# Altium PCB UmTRXv2.PcbDoc (part 19 of 25) (continued)
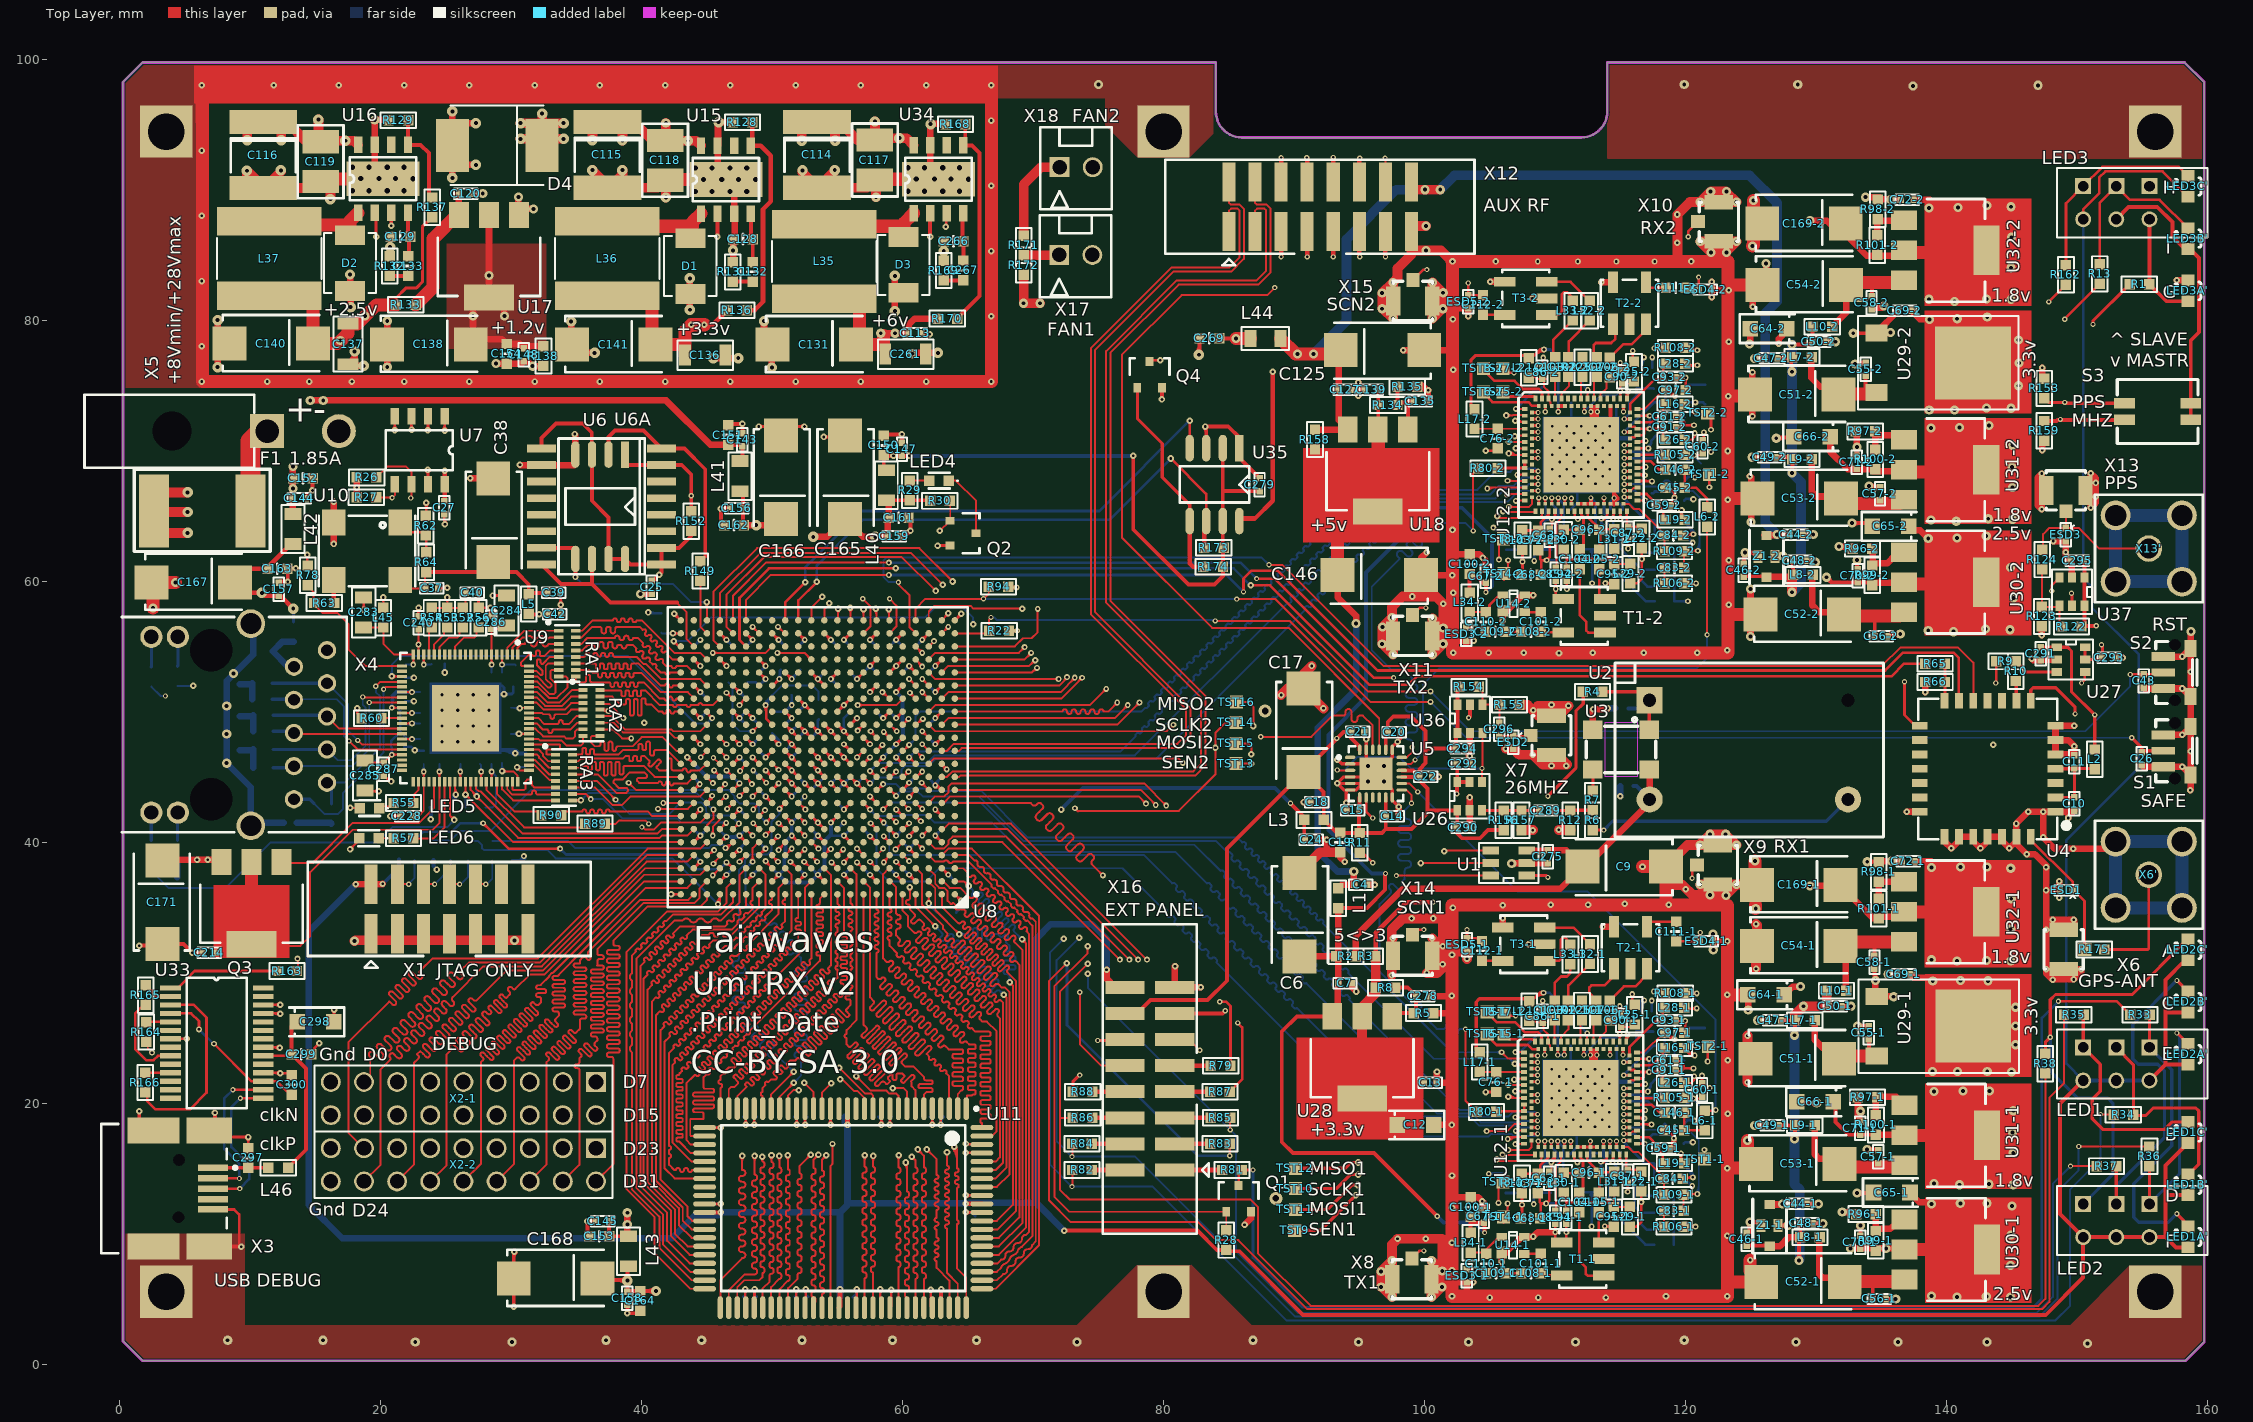
[diagram p0: Top Layer view]
## Nets (pads, with @x,y where several pads share a name; then routed paths per layer and width w, separated by ;. In a path a pad name is that pad's centre, name@x,y a point inside that pad or via, vN(x,y) a via of type N, cw(c..) or ccw(c..) an arc to the next point about the centre after c; other vN are vias at no path point) (continued)
RAM_WEN: U8.A2 U11.88 | length 40.3
  Top Layer w0.15: U8.A2@63,36 63,35.05 64.232,33.818 ccw(c64.338,33.924) 64.444,33.818 64.514,33.889 cw(c64.62,33.783) 64.727,33.889 cw(c64.62,33.783) 64.727,33.677 64.656,33.606 ccw(c64.762,33.5) 64.656,33.394 ccw(c64.762,33.5) 64.868,33.394 64.939,33.465 cw(c65.045,33.359) 65.151,33.465 cw(c65.045,33.359) 65.151,33.253 64.974,33.076 64.797,32.899 ccw(c64.903,32.793) 64.797,32.687 ccw(c64.903,32.793) 65.009,32.687 65.186,32.864 65.363,33.041 cw(c65.469,32.934) 65.575,33.04 cw(c65.469,32.934) 65.575,32.828 65.398,32.652 65.222,32.475 ccw(c65.328,32.369) 65.222,32.263 ccw(c65.328,32.369) 65.434,32.263 65.61,32.44 65.787,32.616 cw(c65.893,32.51) 65.999,32.616 cw(c65.893,32.51) 65.999,32.404 65.646,32.051 ccw(c65.752,31.945) 65.646,31.839 ccw(c65.752,31.945) 65.858,31.839 66.035,32.015 66.211,32.192 cw(c66.318,32.086) 66.424,32.192 cw(c66.318,32.086) 66.424,31.98 66.247,31.803 66.07,31.626 ccw(c66.176,31.52) 66.07,31.414 ccw(c66.176,31.52) 66.282,31.414 66.459,31.591 66.636,31.768 cw(c66.742,31.662) 66.848,31.768 cw(c66.742,31.662) 66.848,31.556 66.671,31.379 66.494,31.202 ccw(c66.6,31.096) 66.494,30.99 ccw(c66.6,31.096) 66.707,30.99 67.06,31.343 cw(c67.166,31.237) 67.272,31.343 cw(c67.166,31.237) 67.272,31.131 67.095,30.955 66.92,30.779 ccw(c67.026,30.673) 66.92,30.567 ccw(c67.026,30.673) 67.132,30.567 67.308,30.742 67.484,30.919 cw(c67.59,30.813) 67.696,30.919 cw(c67.59,30.813) 67.696,30.707 67.344,30.355 ccw(c67.45,30.249) 67.344,30.143 ccw(c67.45,30.249) 67.556,30.143 67.732,30.318 67.909,30.495 cw(c68.015,30.389) 68.121,30.495 cw(c68.015,30.389) 68.121,30.283 68.05,30.212 ccw(c68.156,30.106) 68.05,30 68.375,29.675 68.7,29.351 68.7,11.75 67.275,10.325 U11.88@66.075,10.325
RAM_ZZ: U8.F16 U11.64 | length 47.4
  Top Layer w0.15: U8.F16@49,41 v2(48.55,41.45) ; U11.64@54.475,4.325 54.475,15.2 54.625,15.35 v2(54.625,16.875) ; v2@48.55,41.3 cw(c48.55,40.938) 48.806,41.194 ; v2@48.55,41.3 cw(c48.55,40.938) 48.806,41.194 ; v2@48.55,41.3 cw(c48.55,40.938) 48.806,41.194 ; v2(48.55,41.45) ccw(c48.807,41.503) 48.739,41.249 ; v2(48.55,41.45) cw(c48.497,41.193) 48.751,41.261 ; v2(48.55,41.45) cw(c48.497,41.193) 48.751,41.261 ; v2(48.55,41.45) ccw(c48.807,41.503) 48.739,41.249 ; v2(48.55,41.45) ccw(c48.807,41.503) 48.739,41.249 ; v2(48.55,41.45) cw(c48.497,41.193) 48.751,41.261 ; v2@48.7,41.45 ccw(c49.062,41.45) 48.806,41.194 ; v2@48.7,41.45 ccw(c49.062,41.45) 48.806,41.194 ; v2@48.7,41.45 ccw(c49.062,41.45) 48.806,41.194
  Mid-Layer 2 w0.15: v2(54.625,16.875) 54.625,17.275 47.925,23.975 47.925,39.359 48.95,40.384 48.95,41.1 48.55,41.5 v2(48.55,41.45) ; v2@48.55,41.3 cw(c48.55,40.817) 48.891,41.159 ; v2@48.55,41.3 cw(c48.55,40.817) 48.891,41.159 ; v2@48.55,41.3 cw(c48.55,40.817) 48.891,41.159 ; v2(48.55,41.45) ccw(c48.85,41.546) 48.769,41.241 ; v2(48.55,41.45) ccw(c48.85,41.546) 48.769,41.241 ; v2(48.55,41.45) ccw(c48.85,41.546) 48.769,41.241 ; v2@48.7,41.45 ccw(c48.941,41.45) 48.771,41.279 ; v2@48.7,41.45 ccw(c48.941,41.45) 48.771,41.279 ; v2@48.7,41.45 ccw(c48.941,41.45) 48.771,41.279
RX1D0: U8.J1 U12-1.15 | length 74.8
  Top Layer w0.15: U8.J1@64,44 78.25,44 v2(79.4,42.85) ; v1(106.411,20.495) 106.411,20.458 106.481,20.388 U12-1.15@107.632,20.388 ; 79.144,43.106 cw(c78.888,42.85) v2@79.25,42.85 ; 79.144,43.106 ccw(c79.4,43.362) v2@79.4,43 ; 79.144,43.106 ccw(c79.4,43.362) v2@79.4,43 ; 79.144,43.106 cw(c78.888,42.85) v2@79.25,42.85 ; 79.144,43.106 ccw(c79.4,43.362) v2@79.4,43 ; 79.144,43.106 cw(c78.888,42.85) v2@79.25,42.85 ; 79.199,43.039 ccw(c79.453,43.107) v2(79.4,42.85) ; 79.199,43.039 ccw(c79.453,43.107) v2(79.4,42.85) ; 79.199,43.039 ccw(c79.453,43.107) v2(79.4,42.85) ; 79.211,43.051 cw(c79.143,42.797) v2(79.4,42.85) ; 79.211,43.051 cw(c79.143,42.797) v2(79.4,42.85) ; 79.211,43.051 cw(c79.143,42.797) v2(79.4,42.85) ; v1@106.429,20.513 ccw(c106.73,20.814) 106.73,20.388 ; v1@106.429,20.513 ccw(c106.73,20.814) 106.73,20.388 ; v1@106.429,20.513 ccw(c106.73,20.814) 106.73,20.388 ; v1@106.432,20.482 cw(c106.581,20.389) 106.669,20.541 ; v1@106.432,20.482 cw(c106.581,20.389) 106.669,20.541 ; v1@106.432,20.482 cw(c106.581,20.389) 106.669,20.541 ; v1@106.535,20.619 ccw(c107.092,21.176) 107.092,20.388 ; v1@106.535,20.619 ccw(c107.092,21.176) 107.092,20.388 ; v1@106.535,20.619 ccw(c107.092,21.176) 107.092,20.388 ; v1@106.56,20.403 cw(c106.713,20.307) 106.804,20.464 ; v1@106.56,20.403 cw(c106.713,20.307) 106.804,20.464 ; v1@106.56,20.403 cw(c106.713,20.307) 106.804,20.464
  MidLayer1 w0.15: v2(79.4,42.85) 80.45,41.8 84.35,41.8 84.795,41.355 ccw(c84.809,41.369) 84.823,41.355 cw(c84.951,41.228) 85.078,41.355 85.141,41.291 cw(c85.014,41.164) 85.141,41.037 85.127,41.023 85.113,41.009 ccw(c85.24,40.881) 85.113,40.754 85.177,40.69 ccw(c85.304,40.818) 85.431,40.69 85.445,40.705 85.46,40.719 cw(c85.587,40.591) 85.714,40.719 85.778,40.655 cw(c85.651,40.528) 85.778,40.4 85.764,40.386 85.75,40.372 ccw(c85.877,40.245) 85.75,40.118 85.813,40.054 ccw(c85.94,40.181) 86.068,40.054 86.082,40.068 86.096,40.082 cw(c86.223,39.955) 86.351,40.082 86.414,40.019 cw(c86.287,39.891) 86.414,39.764 86.4,39.75 86.386,39.736 ccw(c86.513,39.608) 86.386,39.481 86.45,39.418 ccw(c86.577,39.545) 86.704,39.418 86.718,39.432 86.732,39.446 cw(c86.86,39.319) 86.987,39.446 87.051,39.382 cw(c86.923,39.255) 87.051,39.128 87.036,39.114 87.022,39.099 ccw(c87.15,38.972) 87.022,38.845 87.086,38.781 ccw(c87.213,38.908) 87.341,38.781 87.355,38.795 87.369,38.809 cw(c87.496,38.682) 87.623,38.809 87.687,38.746 cw(c87.56,38.619) 87.687,38.491 87.673,38.477 87.659,38.463 ccw(c87.786,38.336) 87.659,38.208 87.722,38.145 ccw(c87.85,38.272) 87.977,38.145 87.991,38.159 88.005,38.173 cw(c88.132,38.046) 88.26,38.173 88.323,38.109 cw(c88.196,37.982) 88.323,37.855 88.309,37.841 88.295,37.827 ccw(c88.422,37.699) 88.295,37.572 88.359,37.508 ccw(c88.486,37.636) 88.613,37.508 88.627,37.523 88.642,37.537 cw(c88.769,37.409) 88.896,37.537 88.96,37.473 cw(c88.833,37.346) 88.96,37.218 88.946,37.204 88.932,37.19 ccw(c89.059,37.063) 88.932,36.936 88.995,36.872 ccw(c89.122,36.999) 89.25,36.872 89.264,36.886 89.278,36.9 cw(c89.405,36.773) 89.533,36.9 89.596,36.837 cw(c89.469,36.709) 89.596,36.582 89.582,36.568 89.568,36.554 ccw(c89.695,36.427) 89.568,36.299 89.632,36.236 ccw(c89.759,36.363) 89.886,36.236 89.9,36.25 89.914,36.264 cw(c90.042,36.137) 90.169,36.264 90.233,36.2 cw(c90.105,36.073) 90.233,35.946 90.218,35.932 90.204,35.917 ccw(c90.332,35.79) 90.204,35.663 90.268,35.599 ccw(c90.395,35.726) 90.523,35.599 90.537,35.613 90.551,35.627 cw(c90.678,35.5) 90.805,35.627 90.869,35.564 cw(c90.742,35.437) 90.869,35.309 90.855,35.295 90.841,35.281 ccw(c90.968,35.154) 90.841,35.026 90.904,34.963 ccw(c91.032,35.09) 91.159,34.963 91.173,34.977 91.187,34.991 cw(c91.314,34.864) 91.442,34.991 91.505,34.927 cw(c91.378,34.8) 91.505,34.673 91.491,34.659 91.477,34.645 ccw(c91.604,34.517) 91.477,34.39 91.541,34.326 ccw(c91.668,34.454) 91.795,34.326 91.809,34.341 91.824,34.355 cw(c91.951,34.227) 92.078,34.355 92.142,34.291 cw(c92.015,34.164) 92.142,34.037 92.128,34.022 92.113,34.008 ccw(c92.241,33.881) 92.113,33.754 92.177,33.69 ccw(c92.304,33.817) 92.432,33.69 92.446,33.704 92.46,33.718 cw(c92.587,33.591) 92.715,33.718 92.778,33.655 cw(c92.651,33.527) 92.778,33.4 92.764,33.386 92.75,33.372 ccw(c92.877,33.245) 92.75,33.117 92.814,33.054 ccw(c92.941,33.181) 93.068,33.054 93.082,33.068 93.096,33.082 cw(c93.224,32.955) 93.351,33.082 93.415,33.018 cw(c93.287,32.891) 93.415,32.764 93.4,32.75 93.386,32.735 ccw(c93.514,32.608) 93.386,32.481 93.45,32.417 ccw(c93.577,32.545) 93.704,32.417 93.733,32.446 cw(c93.86,32.318) 93.987,32.446 94.051,32.382 cw(c93.924,32.255) 94.051,32.127 94.037,32.113 94.023,32.099 ccw(c94.15,31.972) 94.023,31.844 94.086,31.781 ccw(c94.214,31.908) 94.341,31.781 94.355,31.795 94.369,31.809 cw(c94.496,31.682) 94.624,31.809 94.687,31.745 cw(c94.56,31.618) 94.687,31.491 94.673,31.477 94.659,31.463 ccw(c94.786,31.335) 94.659,31.208 94.723,31.144 ccw(c94.85,31.272) 94.977,31.144 94.991,31.159 95.006,31.173 cw(c95.133,31.045) 95.26,31.173 95.324,31.109 cw(c95.196,30.982) 95.324,30.855 95.31,30.84 95.295,30.826 ccw(c95.423,30.699) 95.295,30.572 95.359,30.508 ccw(c95.486,30.635) 95.614,30.508 95.628,30.522 95.642,30.536 cw(c95.769,30.409) 95.897,30.536 95.96,30.473 cw(c95.833,30.345) 95.96,30.218 ccw(c95.974,30.204) 95.96,30.19 95.96,29.69 104.143,21.507 104.143,20.511 104.395,20.258 105.577,20.258 105.777,20.458 106.411,20.458 v1(106.411,20.495) ; v2@79.4,42.7 cw(c79.4,42.338) 79.656,42.594 ; v2@79.4,42.7 cw(c79.4,42.338) 79.656,42.594 ; v2@79.4,42.7 cw(c79.4,42.338) 79.656,42.594 ; v2@79.55,42.85 ccw(c79.912,42.85) 79.656,42.594 ; v2@79.55,42.85 ccw(c79.912,42.85) 79.656,42.594 ; v2@79.55,42.85 ccw(c79.912,42.85) 79.656,42.594 ; 105.899,20.458 ccw(c105.899,21.007) v1@106.287,20.619 ; 105.899,20.458 ccw(c105.899,21.007) v1@106.287,20.619 ; 105.899,20.458 ccw(c105.899,21.007) v1@106.287,20.619 ; 106.078,20.458 cw(c106.078,20.162) v1@106.287,20.371 ; 106.078,20.458 cw(c106.078,20.162) v1@106.287,20.371 ; 106.078,20.458 cw(c106.078,20.162) v1@106.287,20.371
RX1D1: U8.L6 U12-1.14 | length 72.6
  Top Layer w0.15: v2@58.5,45.675 ccw(c58.5,46.097) 58.799,45.799 ccw(c59.097,45.5) v2@58.675,45.5 ; 58.689,45.701 ccw(c58.757,45.447) v2(58.5,45.5) ; 58.701,45.689 cw(c58.447,45.757) v2(58.5,45.5) ; U8.L6@59,46 v2(58.5,45.5) ; v2(58.5,45.5) ccw(c58.409,45.83) 58.74,45.741 cw(c58.409,45.83) v2(58.5,45.5) ; v2(58.5,45.5) cw(c58.83,45.409) 58.741,45.74 ccw(c58.83,45.409) v2(58.5,45.5) ; 58.756,45.756 cw(c58.5,46.012) 58.5,45.65 ccw(c58.5,46.012) 58.756,45.756 ; 58.756,45.756 ccw(c59.012,45.5) 58.65,45.5 cw(c59.012,45.5) 58.756,45.756
  Top Layer w0.2: U12-1.14@108.207,20.638 v4@108.632,20.638 ; 108.416,20.638 cw(c108.416,20.397) v4@108.586,20.567 ; 108.416,20.638 ccw(c108.416,20.879) v4@108.586,20.709 ; 108.416,20.638 ccw(c108.416,20.879) v4@108.586,20.709 ; 108.416,20.638 cw(c108.416,20.397) v4@108.586,20.567 ; 108.416,20.638 ccw(c108.416,20.879) v4@108.586,20.709 ; 108.416,20.638 cw(c108.416,20.397) v4@108.586,20.567
  MidLayer1 w0.15: v2@58.5,45.325 cw(c58.5,44.903) 58.799,45.201 cw(c59.097,45.5) v2@58.675,45.5 ; v4(108.657,20.638) 107.999,20.638 106.931,19.57 105.949,19.57 105.837,19.458 103.388,19.458 103.042,19.458 93.65,28.85 93.65,29.6 82.7,40.55 79.65,40.55 76.75,43.45 62.908,43.45 62.883,43.425 62.117,43.425 62.067,43.475 61.217,43.475 60.817,43.875 60.125,43.875 v2(58.5,45.5) ; v2(58.5,45.5) cw(c58.409,45.17) 58.74,45.259 ccw(c58.409,45.17) v2(58.5,45.5) ; v2(58.5,45.5) ccw(c58.83,45.591) 58.741,45.26 cw(c58.83,45.591) v2(58.5,45.5) ; 58.756,45.244 cw(c59.012,45.5) 58.65,45.5 ccw(c59.012,45.5) 58.756,45.244 ; 58.756,45.244 ccw(c58.5,44.988) 58.5,45.35 cw(c58.5,44.988) 58.756,45.244 ; 108.355,20.638 cw(c108.355,20.336) v4@108.569,20.55 ; 108.355,20.638 ccw(c108.355,20.94) v4@108.569,20.726 ; 108.355,20.638 ccw(c108.355,20.94) v4@108.569,20.726 ; 108.355,20.638 cw(c108.355,20.336) v4@108.569,20.55 ; 108.355,20.638 ccw(c108.355,20.94) v4@108.569,20.726 ; 108.355,20.638 cw(c108.355,20.336) v4@108.569,20.55
RX1D2: U8.H3 U12-1.13 | length 72
  Top Layer w0.15: U8.H3@62,43 62.5,43.5 63.2,43.5 63.5,43.8 63.5,44.25 63.75,44.5 78.5,44.5 v2(80.2,42.8) ; v1(106.961,20.908) 106.981,20.888 U12-1.13@107.632,20.888 ; 79.944,43.056 cw(c79.688,42.8) v2@80.05,42.8 ; 79.944,43.056 ccw(c80.2,43.312) v2@80.2,42.95 ; 79.944,43.056 ccw(c80.2,43.312) v2@80.2,42.95 ; 79.944,43.056 cw(c79.688,42.8) v2@80.05,42.8 ; 79.944,43.056 ccw(c80.2,43.312) v2@80.2,42.95 ; 79.944,43.056 cw(c79.688,42.8) v2@80.05,42.8 ; 79.999,42.989 ccw(c80.253,43.057) v2(80.2,42.8) ; 79.999,42.989 ccw(c80.253,43.057) v2(80.2,42.8) ; 79.999,42.989 ccw(c80.253,43.057) v2(80.2,42.8) ; 80.011,43.001 cw(c79.943,42.747) v2(80.2,42.8) ; 80.011,43.001 cw(c79.943,42.747) v2(80.2,42.8) ; 80.011,43.001 cw(c79.943,42.747) v2(80.2,42.8) ; v1@107.085,20.784 cw(c107.335,20.534) 107.335,20.888 ; v1@107.085,20.784 cw(c107.335,20.534) 107.335,20.888 ; v1@107.085,20.784 cw(c107.335,20.534) 107.335,20.888 ; v1@107.085,21.032 ccw(c107.432,21.379) U12-1.13@107.432,20.888 ; v1@107.085,21.032 ccw(c107.432,21.379) U12-1.13@107.432,20.888 ; v1@107.085,21.032 ccw(c107.432,21.379) U12-1.13@107.432,20.888
  MidLayer1 w0.15: v2(80.2,42.8) 80.8,42.2 85.1,42.2 96.8,30.5 96.8,29.75 100.551,25.999 ccw(c100.636,26.084) 100.721,25.999 cw(c100.848,25.871) 100.976,25.999 101.039,25.935 cw(c100.912,25.808) 101.039,25.681 100.954,25.596 100.869,25.511 ccw(c100.997,25.384) 100.869,25.256 100.933,25.193 ccw(c101.06,25.32) 101.188,25.193 101.357,25.362 cw(c101.485,25.235) 101.612,25.362 101.676,25.299 cw(c101.548,25.171) 101.676,25.044 101.506,24.874 ccw(c101.633,24.747) 101.506,24.62 101.57,24.556 ccw(c101.697,24.683) 101.824,24.556 101.909,24.641 101.994,24.726 cw(c102.121,24.599) 102.248,24.726 102.312,24.662 cw(c102.185,24.535) 102.312,24.408 102.142,24.238 ccw(c102.27,24.111) 102.142,23.983 102.206,23.92 ccw(c102.333,24.047) 102.46,23.92 102.545,24.005 102.63,24.09 cw(c102.757,23.962) 102.885,24.09 102.948,24.026 cw(c102.821,23.899) 102.948,23.771 102.779,23.602 ccw(c102.906,23.474) 102.779,23.347 102.842,23.283 ccw(c102.97,23.411) 103.097,23.283 103.182,23.368 103.267,23.453 cw(c103.394,23.326) 103.521,23.453 103.585,23.389 cw(c103.457,23.262) 103.585,23.135 103.415,22.965 ccw(c103.542,22.838) 103.415,22.711 103.479,22.647 ccw(c103.606,22.774) 103.733,22.647 103.903,22.817 cw(c104.03,22.689) 104.158,22.817 104.221,22.753 cw(c104.094,22.626) 104.221,22.499 104.136,22.414 104.051,22.329 ccw(c104.179,22.202) 104.051,22.074 104.115,22.011 ccw(c104.242,22.138) 104.37,22.011 104.539,22.18 cw(c104.667,22.053) 104.794,22.18 104.858,22.117 cw(c104.73,21.989) 104.858,21.862 104.773,21.777 104.688,21.692 ccw(c104.815,21.565) 104.688,21.438 104.751,21.374 ccw(c104.879,21.502) 105.006,21.374 cw(c105.091,21.289) 105.176,21.374 105.35,21.2 105.75,21.2 106.029,20.92 106.949,20.92 v1(106.961,20.908) ; v2@80.2,42.65 cw(c80.2,42.288) 80.456,42.544 ; v2@80.2,42.65 cw(c80.2,42.288) 80.456,42.544 ; v2@80.2,42.65 cw(c80.2,42.288) 80.456,42.544 ; v2@80.35,42.8 ccw(c80.712,42.8) 80.456,42.544 ; v2@80.35,42.8 ccw(c80.712,42.8) 80.456,42.544 ; v2@80.35,42.8 ccw(c80.712,42.8) 80.456,42.544 ; 106.51,20.92 cw(c106.51,20.457) v1@106.837,20.784 ; 106.51,20.92 cw(c106.51,20.457) v1@106.837,20.784 ; 106.51,20.92 cw(c106.51,20.457) v1@106.837,20.784 ; 106.568,20.92 ccw(c106.568,21.302) v1@106.837,21.032 ; 106.568,20.92 ccw(c106.568,21.302) v1@106.837,21.032 ; 106.568,20.92 ccw(c106.568,21.302) v1@106.837,21.032
RX1D3: U8.K6 U12-1.10 | length 71.1
  Top Layer w0.15: U8.K6@59,45 59.1,45 v2(59.5,45.4) ; 59.299,45.211 cw(c59.553,45.143) v2(59.5,45.4) ; 59.311,45.199 ccw(c59.243,45.453) v2(59.5,45.4) ; v2@59.325,45.4 cw(c58.903,45.4) 59.201,45.101 cw(c59.5,44.803) v2@59.5,45.225 ; 59.244,45.144 cw(c59.5,44.888) 59.5,45.25 ccw(c59.5,44.888) 59.244,45.144 ; 59.244,45.144 ccw(c58.988,45.4) 59.35,45.4 cw(c58.988,45.4) 59.244,45.144 ; v2(59.5,45.4) ccw(c59.591,45.07) 59.26,45.159 cw(c59.591,45.07) v2(59.5,45.4) ; v2(59.5,45.4) cw(c59.17,45.491) 59.259,45.16 ccw(c59.17,45.491) v2(59.5,45.4)
  Top Layer w0.2: U12-1.10@108.207,21.638 v4@108.632,21.638 ; 108.416,21.638 cw(c108.416,21.397) v4@108.586,21.567 ; 108.416,21.638 ccw(c108.416,21.879) v4@108.586,21.709 ; 108.416,21.638 ccw(c108.416,21.879) v4@108.586,21.709 ; 108.416,21.638 cw(c108.416,21.397) v4@108.586,21.567 ; 108.416,21.638 ccw(c108.416,21.879) v4@108.586,21.709 ; 108.416,21.638 cw(c108.416,21.397) v4@108.586,21.567
  MidLayer1 w0.15: v2@59.376,45.276 cw(c59.078,44.978) 59.5,44.978 cw(c59.922,44.978) v2@59.624,45.276 ; v2(59.5,45.4) 59.5,44.899 60.274,44.125 60.92,44.125 61.32,43.725 62.17,43.725 62.22,43.675 62.78,43.675 62.805,43.7 77.15,43.7 80,40.85 83.25,40.85 101.6,22.5 ccw(c101.706,22.394) 101.6,22.288 101.706,22.182 ccw(c101.812,22.288) 101.918,22.182 cw(c102.024,22.076) 102.13,22.182 102.236,22.076 cw(c102.13,21.97) 102.236,21.864 ccw(c102.342,21.758) 102.236,21.652 102.342,21.545 ccw(c102.448,21.652) 102.555,21.545 cw(c102.661,21.439) 102.767,21.545 102.873,21.439 cw(c102.767,21.333) 102.873,21.227 ccw(c102.979,21.121) 102.873,21.015 102.979,20.909 ccw(c103.085,21.015) 103.191,20.909 103.643,20.457 103.643,20.304 104.188,19.758 105.784,19.758 105.846,19.82 106.828,19.82 107.895,20.888 107.907,20.888 108.282,21.263 ; 108.282,21.293 108.627,21.638 v4(108.657,21.638) ; 59.5,45.038 cw(c59.862,45.038) 59.606,45.294 ccw(c59.862,45.038) 59.5,45.038 ; 59.5,45.038 ccw(c59.138,45.038) 59.394,45.294 cw(c59.138,45.038) 59.5,45.038 ; 108.392,21.403 cw(c108.657,21.138) v4@108.657,21.513 ; 108.392,21.403 cw(c108.657,21.138) v4@108.657,21.513 ; 108.392,21.403 cw(c108.657,21.138) v4@108.657,21.513 ; 108.465,21.476 ccw(c108.303,21.638) v4@108.532,21.638 ; 108.465,21.476 ccw(c108.303,21.638) v4@108.532,21.638 ; 108.465,21.476 ccw(c108.303,21.638) v4@108.532,21.638
RX1D4: U8.K5 U12-1.11 | length 71.7
  Top Layer w0.15: U8.K5@60,45 60.45,45.45 v2(60.45,45.4) ; U8.K5@60.066,45.066 cw(c60.45,44.682) v2@60.45,45.225 ; 60.187,45.187 ccw(c59.973,45.4) v2@60.275,45.4 ; 60.231,45.191 ccw(c60.15,45.496) v2(60.45,45.4) ; v1(106.411,21.408) 106.436,21.383 107.627,21.383 U12-1.11@107.632,21.388 ; v2(60.45,45.4) ccw(c60.497,45.116) 60.219,45.191 cw(c60.497,45.116) v2(60.45,45.4) ; v2(60.45,45.4) cw(c60.073,45.541) 60.177,45.152 ccw(c60.073,45.541) v2(60.45,45.4) ; U8.K5@60.109,45.109 cw(c60.45,44.767) 60.45,45.25 ccw(c60.45,44.767) U8.K5@60.109,45.109 ; 60.229,45.229 ccw(c60.059,45.4) 60.3,45.4 cw(c60.059,45.4) 60.229,45.229
  MidLayer1 w0.15: v2@60.45,45.225 cw(c60.45,44.802) 60.749,45.101 cw(c61.047,45.4) v2@60.625,45.4 ; v1(106.411,21.408) 106.1,21.719 106.1,22.35 105.55,22.9 105.15,22.9 100.95,27.1 cw(c100.857,27.325) 100.632,27.418 ccw(c100.406,27.511) 100.314,27.736 cw(c100.221,27.962) 99.995,28.055 ccw(c99.77,28.147) 99.677,28.373 cw(c99.584,28.598) 99.359,28.691 ccw(c99.134,28.784) 99.041,29.009 cw(c98.948,29.235) 98.723,29.327 ccw(c98.497,29.42) 98.404,29.646 cw(c98.312,29.871) 98.086,29.964 ccw(c97.861,30.057) 97.768,30.282 cw(c97.675,30.507) 97.45,30.6 ccw(c97.224,30.693) 97.132,30.918 cw(c97.039,31.144) 96.813,31.237 ccw(c96.588,31.329) 96.495,31.555 cw(c96.402,31.78) 96.177,31.873 ccw(c95.952,31.966) 95.859,32.191 cw(c95.766,32.417) 95.541,32.509 ccw(c95.315,32.602) 95.222,32.828 cw(c95.13,33.053) 94.904,33.146 ccw(c94.679,33.239) 94.586,33.464 cw(c94.493,33.689) 94.268,33.782 ccw(c94.042,33.875) 93.95,34.1 cw(c93.857,34.326) 93.631,34.419 ccw(c93.406,34.511) 93.313,34.737 cw(c93.22,34.962) 92.995,35.055 ccw(c92.77,35.148) 92.677,35.373 cw(c92.584,35.599) 92.359,35.691 ccw(c92.133,35.784) 92.04,36.01 cw(c91.948,36.235) 91.722,36.328 ccw(c91.497,36.421) 91.404,36.646 cw(c91.311,36.871) 91.086,36.964 ccw(c90.86,37.057) 90.768,37.282 cw(c90.675,37.508) 90.449,37.601 ccw(c90.224,37.693) 90.131,37.919 cw(c90.038,38.144) 89.813,38.237 ccw(c89.588,38.33) 89.495,38.555 85.5,42.55 81.25,42.55 79.85,43.95 62.701,43.95 62.676,43.925 62.324,43.925 62.274,43.975 61.424,43.975 61,44.399 61,44.85 v2(60.45,45.4) ; v2(60.45,45.4) cw(c60.359,45.07) 60.69,45.159 ccw(c60.359,45.07) v2(60.45,45.4) ; v2(60.45,45.4) ccw(c60.78,45.491) 60.691,45.16 cw(c60.78,45.491) v2(60.45,45.4) ; 60.706,45.144 cw(c60.962,45.4) 60.6,45.4 ccw(c60.962,45.4) 60.706,45.144 ; 60.706,45.144 ccw(c60.45,44.888) 60.45,45.25 cw(c60.45,44.888) 60.706,45.144 ; 106.112,21.707 cw(c105.814,21.408) v1@106.236,21.408 ; 106.112,21.707 ccw(c106.411,22.006) v1@106.411,21.583 ; 106.112,21.707 ccw(c106.411,22.006) v1@106.411,21.583 ; 106.112,21.707 cw(c105.814,21.408) v1@106.236,21.408 ; 106.112,21.707 ccw(c106.411,22.006) v1@106.411,21.583 ; 106.112,21.707 cw(c105.814,21.408) v1@106.236,21.408
RX1D5: U8.H2 U12-1.8 | length 70.7
  Top Layer w0.15: U8.H2@63,43 63.15,43 63.65,43.5 78.1,43.5 v2(78.65,42.95) ; 78.394,43.206 cw(c78.138,42.95) v2@78.5,42.95 ; 78.394,43.206 ccw(c78.65,43.462) v2@78.65,43.1 ; 78.394,43.206 ccw(c78.65,43.462) v2@78.65,43.1 ; 78.394,43.206 cw(c78.138,42.95) v2@78.5,42.95 ; 78.394,43.206 ccw(c78.65,43.462) v2@78.65,43.1 ; 78.394,43.206 cw(c78.138,42.95) v2@78.5,42.95 ; 78.449,43.139 ccw(c78.703,43.207) v2(78.65,42.95) ; 78.449,43.139 ccw(c78.703,43.207) v2(78.65,42.95) ; 78.449,43.139 ccw(c78.703,43.207) v2(78.65,42.95) ; 78.461,43.151 cw(c78.393,42.897) v2(78.65,42.95) ; 78.461,43.151 cw(c78.393,42.897) v2(78.65,42.95) ; 78.461,43.151 cw(c78.393,42.897) v2(78.65,42.95)
  Top Layer w0.2: U12-1.8@108.207,22.138 v4@108.632,22.138 ; 108.416,22.138 cw(c108.416,21.897) v4@108.586,22.067 ; 108.416,22.138 ccw(c108.416,22.379) v4@108.586,22.209 ; 108.416,22.138 ccw(c108.416,22.379) v4@108.586,22.209 ; 108.416,22.138 cw(c108.416,21.897) v4@108.586,22.067 ; 108.416,22.138 ccw(c108.416,22.379) v4@108.586,22.209 ; 108.416,22.138 cw(c108.416,21.897) v4@108.586,22.067
  MidLayer1 w0.15: v2(78.65,42.95) 80.25,41.35 83.55,41.35 92.508,32.392 cw(c92.494,32.378) 92.508,32.363 ccw(c92.635,32.236) 92.508,32.109 92.572,32.045 ccw(c92.699,32.173) 92.826,32.045 92.841,32.059 92.855,32.074 cw(c92.982,31.946) 93.109,32.074 93.173,32.01 cw(c93.046,31.883) 93.173,31.755 93.159,31.741 93.145,31.727 ccw(c93.272,31.6) 93.145,31.473 93.208,31.409 ccw(c93.336,31.536) 93.463,31.409 93.477,31.423 93.491,31.437 cw(c93.618,31.31) 93.746,31.437 93.809,31.374 cw(c93.682,31.246) 93.809,31.119 93.795,31.105 93.781,31.091 ccw(c93.908,30.963) 93.781,30.836 93.845,30.773 ccw(c93.972,30.9) 94.099,30.773 94.113,30.787 94.127,30.801 cw(c94.255,30.674) 94.382,30.801 94.446,30.737 cw(c94.318,30.61) 94.446,30.483 94.432,30.468 94.417,30.454 ccw(c94.545,30.327) 94.417,30.2 94.481,30.136 ccw(c94.608,30.263) 94.736,30.136 94.75,30.15 94.764,30.164 cw(c94.891,30.037) 95.018,30.164 95.082,30.101 cw(c94.955,29.973) 95.082,29.846 95.068,29.832 95.054,29.818 ccw(c95.181,29.691) 95.054,29.563 95.117,29.5 ccw(c95.245,29.627) 95.372,29.5 95.386,29.514 95.4,29.528 cw(c95.528,29.401) 95.655,29.528 95.718,29.464 cw(c95.591,29.337) 95.718,29.21 95.704,29.196 95.69,29.182 ccw(c95.817,29.054) 95.69,28.927 95.754,28.863 ccw(c95.881,28.991) 96.008,28.863 96.023,28.877 96.037,28.892 cw(c96.164,28.764) 96.291,28.892 96.355,28.828 cw(c96.228,28.701) 96.355,28.573 96.341,28.559 96.327,28.545 ccw(c96.454,28.418) 96.327,28.291 96.39,28.227 ccw(c96.518,28.354) 96.645,28.227 96.659,28.241 96.673,28.255 cw(c96.8,28.128) 96.928,28.255 96.991,28.192 cw(c96.864,28.064) 96.991,27.937 96.977,27.923 96.963,27.909 ccw(c97.09,27.781) 96.963,27.654 97.027,27.591 ccw(c97.154,27.718) 97.281,27.591 97.295,27.605 97.309,27.619 cw(c97.437,27.492) 97.564,27.619 97.628,27.555 cw(c97.5,27.428) 97.628,27.301 97.614,27.286 97.599,27.272 ccw(c97.727,27.145) 97.599,27.018 97.663,26.954 ccw(c97.79,27.081) 97.918,26.954 97.932,26.968 97.946,26.982 cw(c98.073,26.855) 98.2,26.982 98.264,26.919 cw(c98.137,26.792) 98.264,26.664 98.25,26.65 98.236,26.636 ccw(c98.363,26.509) 98.236,26.381 98.299,26.318 ccw(c98.427,26.445) 98.554,26.318 98.568,26.332 98.582,26.346 cw(c98.71,26.219) 98.837,26.346 98.9,26.282 cw(c98.773,26.155) 98.9,26.028 98.886,26.014 98.872,26 ccw(c98.999,25.872) 98.872,25.745 98.936,25.681 ccw(c99.063,25.809) 99.19,25.681 99.205,25.695 99.219,25.71 cw(c99.346,25.582) 99.473,25.71 99.537,25.646 cw(c99.41,25.519) 99.537,25.391 99.523,25.377 99.509,25.363 ccw(c99.636,25.236) 99.509,25.109 99.572,25.045 ccw(c99.699,25.172) 99.827,25.045 cw(c99.841,25.031) 99.855,25.045 103.893,21.007 103.893,20.407 104.292,20.008 105.68,20.008 105.742,20.07 106.724,20.07 107.386,20.732 107.386,20.897 108.627,22.138 v4(108.657,22.138) ; v2@78.65,42.8 cw(c78.65,42.438) 78.906,42.694 ; v2@78.65,42.8 cw(c78.65,42.438) 78.906,42.694 ; v2@78.65,42.8 cw(c78.65,42.438) 78.906,42.694 ; v2@78.8,42.95 ccw(c79.162,42.95) 78.906,42.694 ; v2@78.8,42.95 ccw(c79.162,42.95) 78.906,42.694 ; v2@78.8,42.95 ccw(c79.162,42.95) 78.906,42.694 ; 108.392,21.903 cw(c108.657,21.638) v4@108.657,22.013 ; 108.392,21.903 cw(c108.657,21.638) v4@108.657,22.013 ; 108.392,21.903 cw(c108.657,21.638) v4@108.657,22.013 ; 108.465,21.976 ccw(c108.303,22.138) v4@108.532,22.138 ; 108.465,21.976 ccw(c108.303,22.138) v4@108.532,22.138 ; 108.465,21.976 ccw(c108.303,22.138) v4@108.532,22.138
RX1D6: U8.J3 U12-1.9 | length 72.1
  Top Layer w0.15: v2@61.45,44.375 cw(c61.45,43.952) 61.749,44.251 cw(c62.047,44.55) v2@61.625,44.55 ; 61.639,44.349 cw(c61.707,44.603) v2(61.45,44.55) ; 61.65,44.361 ccw(c61.397,44.293) v2(61.45,44.55) ; U8.J3@62,44 v2(61.45,44.55) ; v1(106.861,21.808) 106.811,21.758 106.811,21.708 106.991,21.888 U12-1.9@107.632,21.888 ; v2(61.45,44.55) ccw(c61.78,44.641) 61.691,44.31 cw(c61.78,44.641) v2(61.45,44.55) ; v2(61.45,44.55) cw(c61.359,44.22) 61.689,44.309 ccw(c61.359,44.22) v2(61.45,44.55) ; v1@106.879,21.79 cw(c107.114,21.555) 107.114,21.888 ; v1@106.879,21.79 cw(c107.114,21.555) 107.114,21.888 ; v1@106.879,21.79 cw(c107.114,21.555) 107.114,21.888 ; v1@106.985,21.684 cw(c107.476,21.193) U12-1.9@107.476,21.888 ; v1@106.985,21.684 cw(c107.476,21.193) U12-1.9@107.476,21.888 ; v1@106.985,21.684 cw(c107.476,21.193) U12-1.9@107.476,21.888 ; v2@61.45,44.4 cw(c61.45,44.037) 61.706,44.294 ccw(c61.45,44.037) v2@61.45,44.4 ; v2@61.6,44.55 ccw(c61.961,44.55) 61.706,44.294 cw(c61.961,44.55) v2@61.6,44.55
  MidLayer1 w0.15: v2(61.45,44.55) 61.7,44.8 ; v1(106.861,21.808) 106.45,22.219 106.45,24.35 104.35,26.45 102.293,26.45 89.45,39.293 89.257,39.293 85.45,43.1 83.875,43.1 ccw(c83.725,43.1) 83.725,43.25 83.475,43.25 ccw(c83.475,43.1) 83.325,43.1 cw(c83.175,43.1) 83.175,42.95 82.925,42.95 cw(c82.925,43.1) 82.775,43.1 ccw(c82.625,43.1) 82.625,43.25 82.375,43.25 ccw(c82.375,43.1) 82.225,43.1 81.45,43.1 79.75,44.8 79.2,44.8 cw(c78.975,44.894) 78.75,44.8 ccw(c78.525,44.706) 78.3,44.8 cw(c78.075,44.894) 77.85,44.8 ccw(c77.625,44.706) 77.4,44.8 cw(c77.175,44.894) 76.95,44.8 ccw(c76.725,44.706) 76.5,44.8 cw(c76.275,44.894) 76.05,44.8 ccw(c75.825,44.706) 75.6,44.8 cw(c75.375,44.894) 75.15,44.8 ccw(c74.925,44.706) 74.7,44.8 cw(c74.475,44.894) 74.25,44.8 ccw(c74.025,44.706) 73.8,44.8 cw(c73.575,44.894) 73.35,44.8 ccw(c73.125,44.706) 72.9,44.8 cw(c72.675,44.894) 72.45,44.8 ccw(c72.225,44.706) 72,44.8 cw(c71.775,44.894) 71.55,44.8 ccw(c71.325,44.706) 71.1,44.8 cw(c70.875,44.894) 70.65,44.8 ccw(c70.425,44.706) 70.2,44.8 cw(c69.975,44.894) 69.75,44.8 ccw(c69.525,44.706) 69.3,44.8 cw(c69.075,44.894) 68.85,44.8 ccw(c68.625,44.706) 68.4,44.8 cw(c68.175,44.894) 67.95,44.8 ccw(c67.725,44.706) 67.5,44.8 cw(c67.275,44.894) 67.05,44.8 ccw(c66.825,44.706) 66.6,44.8 cw(c66.375,44.894) 66.15,44.8 ccw(c65.925,44.706) 65.7,44.8 cw(c65.475,44.894) 65.25,44.8 ccw(c65.025,44.706) 64.8,44.8 cw(c64.575,44.894) 64.35,44.8 ccw(c64.125,44.706) 63.9,44.8 61.7,44.8 ; 61.7,44.8 cw(c61.458,45.042) 61.452,44.7 ccw(c61.458,45.042) 61.7,44.8 ; 61.7,44.8 ccw(c61.942,44.558) 61.6,44.552 cw(c61.942,44.558) 61.7,44.8 ; 106.562,22.107 cw(c106.264,21.808) v1@106.686,21.808 ; 106.562,22.107 ccw(c106.861,22.406) v1@106.861,21.983 ; 106.562,22.107 ccw(c106.861,22.406) v1@106.861,21.983 ; 106.562,22.107 cw(c106.264,21.808) v1@106.686,21.808 ; 106.562,22.107 ccw(c106.861,22.406) v1@106.861,21.983 ; 106.562,22.107 cw(c106.264,21.808) v1@106.686,21.808